# Altium PCB kunkun.PcbDoc (part 2 of 8) (continued)
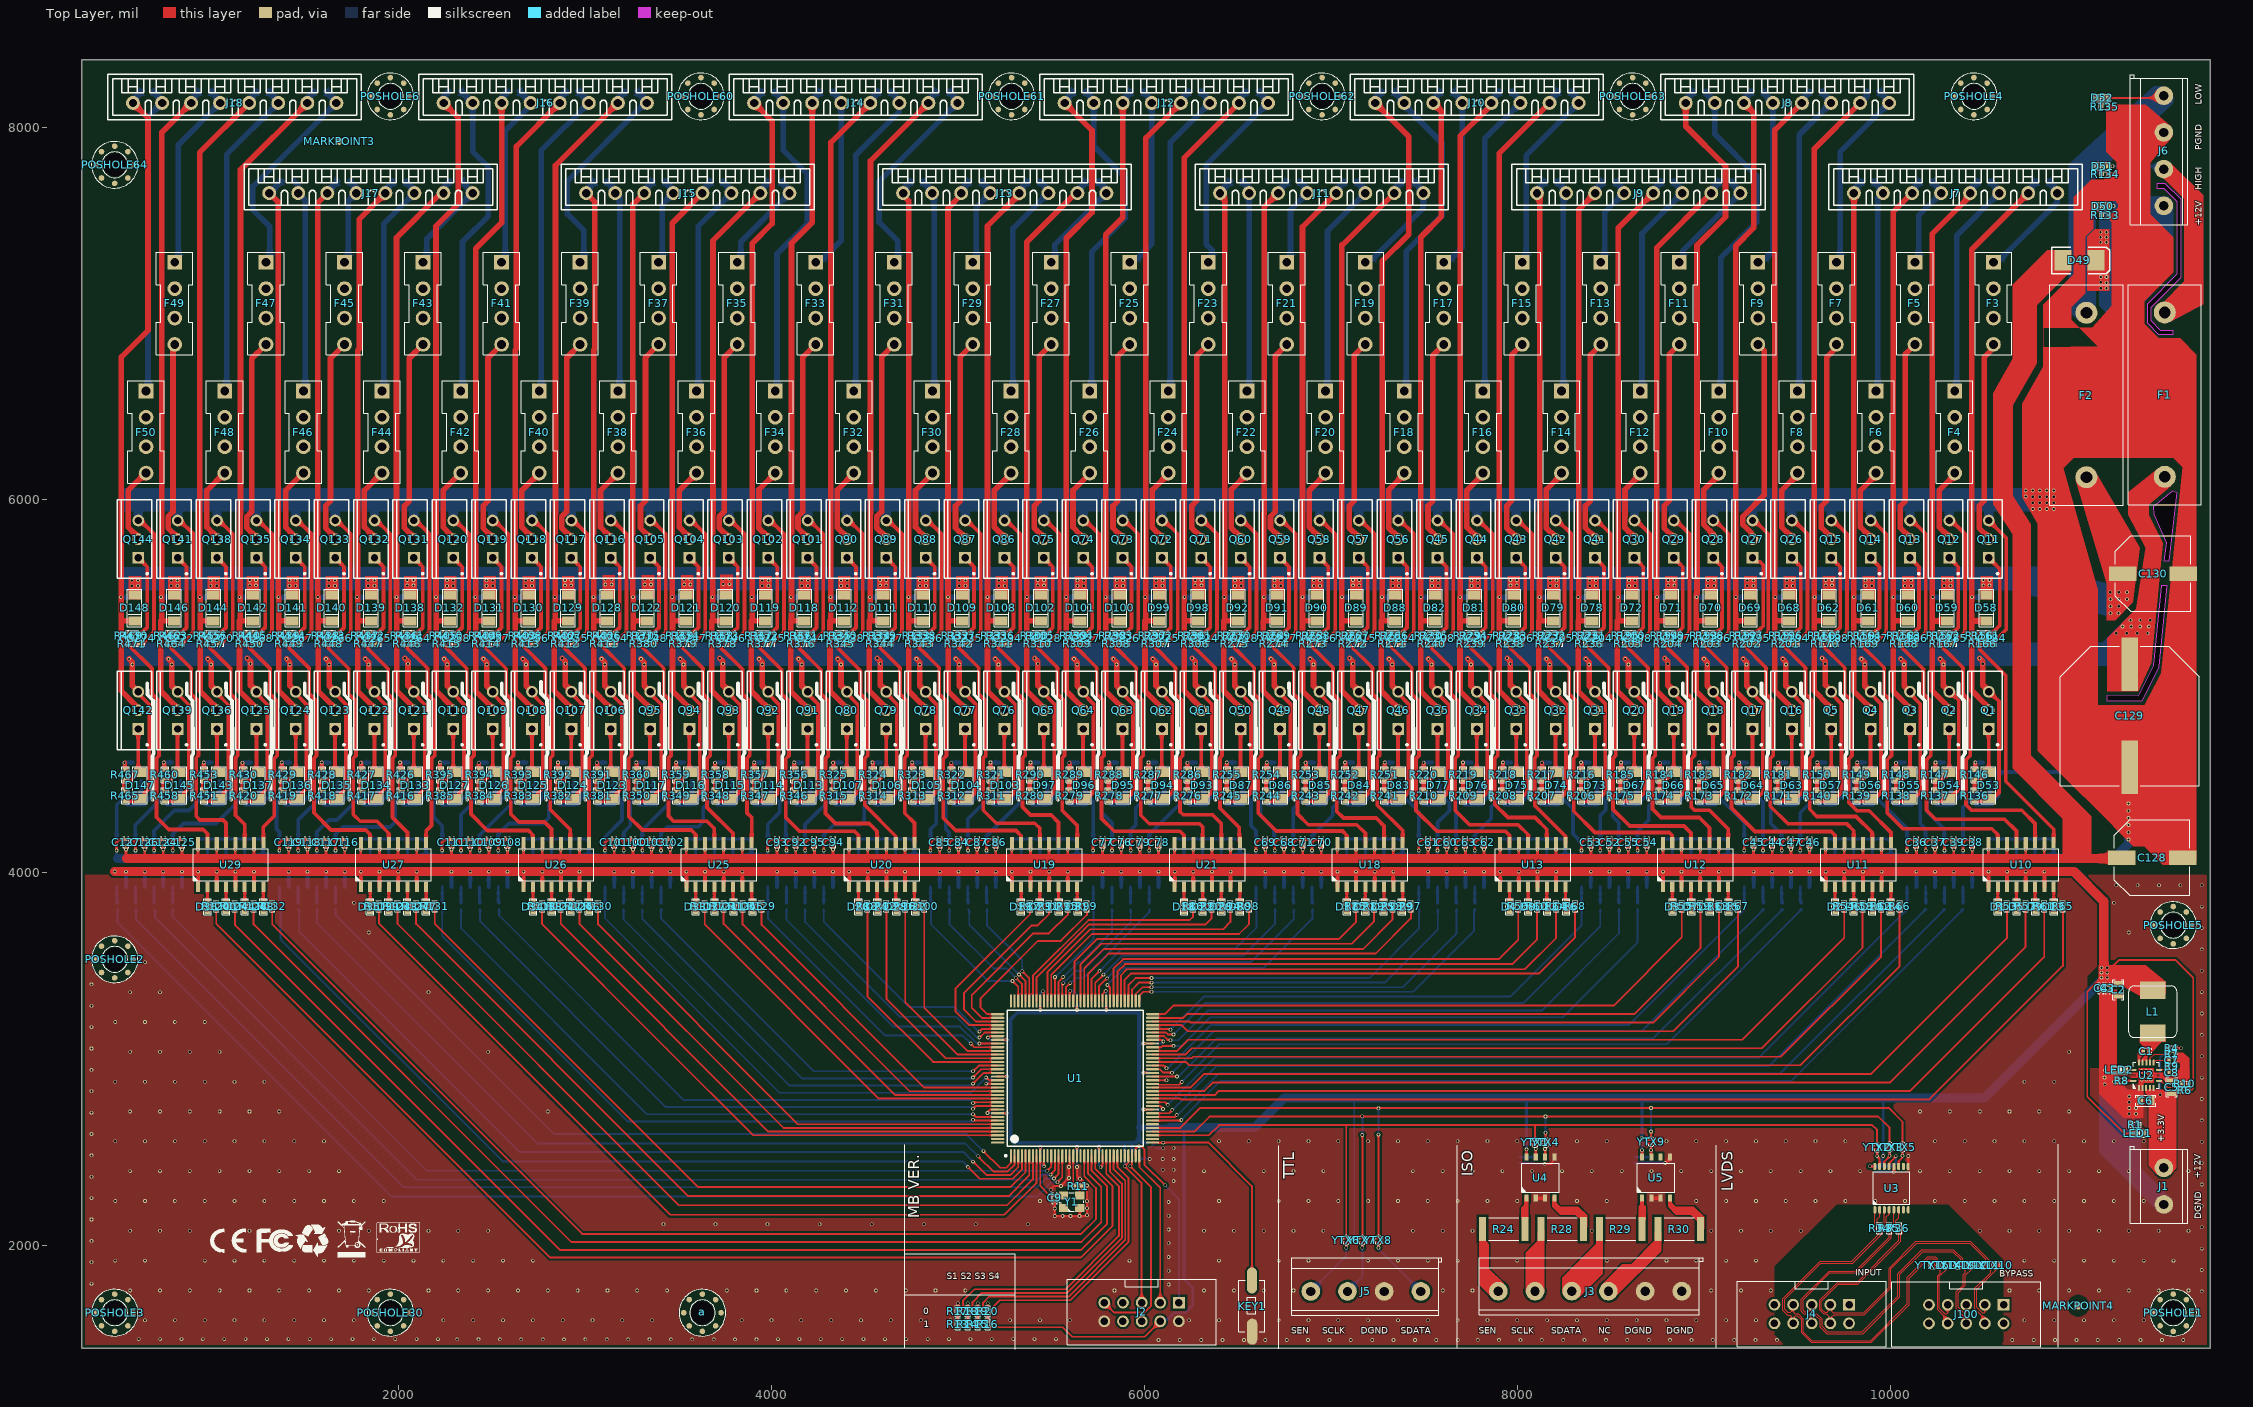
[diagram p0: Top Layer view]
## Footprints (in the part's own frame and the unit in brackets; to place one, negate y for a bottom-side part, rotate by r counter-clockwise, add the part's x,y. Pads: shape width x height; smd on the part's side, far side on the other; paste and mask are expansions set on the pad) (continued)
  oval 0.3x1.8 smd: 37(-8.75,-10.55) 38(-8.25,-10.55) 39(-7.75,-10.55) 40(-7.25,-10.55) 41(-6.75,-10.55) 42(-6.25,-10.55) 43(-5.75,-10.55) 44(-5.25,-10.55) 45(-4.75,-10.55) 46(-4.25,-10.55) 47(-3.75,-10.55) 48(-3.25,-10.55) 49(-2.75,-10.55) 50(-2.25,-10.55) 51(-1.75,-10.55) 52(-1.25,-10.55) 53(-0.75,-10.55) 54(-0.25,-10.55) 55(0.25,-10.55) 56(0.75,-10.55) 57(1.25,-10.55) 58(1.75,-10.55) 59(2.25,-10.55) 60(2.75,-10.55) 61(3.25,-10.55) 62(3.75,-10.55) 63(4.25,-10.55) 64(4.75,-10.55) 65(5.25,-10.55) 66(5.75,-10.55) 67(6.25,-10.55) 68(6.75,-10.55) 69(7.25,-10.55) 70(7.75,-10.55) 71(8.25,-10.55) 72(8.75,-10.55) 109(8.75,10.55) 110(8.25,10.55) 111(7.75,10.55) 112(7.25,10.55) 113(6.75,10.55) 114(6.25,10.55) 115(5.75,10.55) 116(5.25,10.55) 117(4.75,10.55) 118(4.25,10.55) 119(3.75,10.55) 120(3.25,10.55) 121(2.75,10.55) 122(2.25,10.55) 123(1.75,10.55) 124(1.25,10.55) 125(0.75,10.55) 126(0.25,10.55) 127(-0.25,10.55) 128(-0.75,10.55) 129(-1.25,10.55) 130(-1.75,10.55) 131(-2.25,10.55) 132(-2.75,10.55) 133(-3.25,10.55) 134(-3.75,10.55) 135(-4.25,10.55) 136(-4.75,10.55) 137(-5.25,10.55) 138(-5.75,10.55) 139(-6.25,10.55) 140(-6.75,10.55) 141(-7.25,10.55) 142(-7.75,10.55) 143(-8.25,10.55) 144(-8.75,10.55)
  silkscreen extent -10.67,-9.25 9.25,9.57, body extent -10,-10 10,10, height 1.6
YTX [mil]
  round 2 smd: 1(-15,0) 2(15,0)
  Top Layer region: 5,-15 11.51,-13.51 16.73,-9.35 19.62,-3.34 19.62,3.34 16.73,9.35 11.51,13.51 5,15 5,15
  Top Layer region: -5,-15 -11.51,-13.51 -16.73,-9.35 -19.62,-3.34 -19.62,3.34 -16.73,9.35 -11.51,13.51 -5,15 -5,15
  silkscreen extent -25,-20 25,20
ZVN3320F [mil] "MOSFET-N"
  rect 35x37 smd: 1(37,98) 2(0,0) 3(75,0)
  silkscreen extent -38,-4 89,98

## Part data
C1 C2 C3 C4 C5 C6 C7 C8 C9 C10 C11 C12 C13 C14 C15 C16 C17 C18 C19 C20 C21 C22 C23 C24 C25 C26 C27 C28 C29 C30 C31 C32 C33 C34 C35 C36 C37 C38 C39 C40 C41 C42 C43 C44 C45 C46 C47 C48 C49 C50 C51 C52 C53 C54 C55 C56 C57 C58 C59 C60 C61 C62 C63 C64 C65 C66 C67 C68 C69 C70 C71 C72 C73 C74 C75 C76 C77 C78 C79 C80 C81 C82 C83 C84 C85 C86 C87 C88 C89 C90 C91 C92 C93 C94 C95 C96 C97 C98 C99 C100 C101 C102 C103 C104 C105 C106 C107 C108 C109 C110 C111 C112 C113 C114 C115 C116 C117 C118 C119 C120 C121 C122 C123 C124 C125 C126 C127 C131 C132 C133 C134 C135 C136 C137 C138 C139 C140 C141 C142 C143 C144 C145 C146 C147 C148 C149 C150 C151 C152 C153 C154 C155 C156 C157 C158 C159 C160 C161 C162 C163 C164 C165 C166 C167 C168 C169 C170 C171 C172 C173 C174 C175 C176 C177 C178 C179 C180 C181 C182 C183 C184 C185 C186 C187 C188 C189 C190 C191 C192 C193 C194 C195 C196 C197 C198 C199 C200 C201 C202 C203 C204 C205 C206 C207 C208 C209 C210 C211 C212 C213 C214 C215 C216 C217 C218 C219 C220 C221 C222 C223 C224 C225 C226 C227 C228 C229 C230 C231 C232 C233 C234 C235 C236 C237 C238 C239 C240 C241 C242 C243 C244 C245 C246 C247 C248 C249 C250 C251 C252 C253 C254 C255 C256 C257 C258 C259 C260 C261 C262 C263 C264 C265 C266 C267 C268 C269 C270 C271 C272 C273 C274: voltage=25V, precision=5%
C128 C130: voltage=35V
C129: voltage=100V
D53 D54 D55 D56 D57 D58 D59 D60 D61 D62 D63 D64 D65 D66 D67 D68 D69 D70 D71 D72 D73 D74 D75 D76 D77 D78 D79 D80 D81 D82 D83 D84 D85 D86 D87 D88 D89 D90 D91 D92 D93 D94 D95 D96 D97 D98 D99 D100 D101 D102 D103 D104 D105 D106 D107 D108 D109 D110 D111 D112 D113 D114 D115 D116 D117 D118 D119 D120 D121 D122 D123 D124 D125 D126 D127 D128 D129 D130 D131 D132 D133 D134 D135 D136 D137 D138 D139 D140 D141 D142 D143 D144 D145 D146 D147 D148: library part DIOD1
J4 J100: library part HDR2X5
J5: library part HDR1X4
Q1 Q2 Q3 Q4 Q5 Q16 Q17 Q18 Q19 Q20 Q31 Q32 Q33 Q34 Q35 Q46 Q47 Q48 Q49 Q50 Q61 Q62 Q63 Q64 Q65 Q76 Q77 Q78 Q79 Q80 Q91 Q92 Q93 Q94 Q95 Q106 Q107 Q108 Q109 Q110 Q121 Q122 Q123 Q124 Q125 Q136 Q139 Q142: "P-Channel Power MOSFET", ComponentLink1Description="Manufacturer Link", ComponentLink1URL=http://www.irf.com/, DatasheetVersion=PD-9.390D, LatestRevisionDate=17-Jul-2002, LatestRevisionNote="Re-released for DXP Platform.", Note="Pin 4 not drawn and electrically connected to Pin 2.", PackageDescription="TO, Thru-Hole, Vertical, Heatsink Mounted; 3 In-Line Leads; Pitch 2.54 mm", PackageReference=TO-220AB, PackageVersion=Feb-1997, Published=8-Jun-2000, Publisher="Altium Limited"
Q6 Q7 Q8 Q9 Q10 Q21 Q22 Q23 Q24 Q25 Q36 Q37 Q38 Q39 Q40 Q51 Q52 Q53 Q54 Q55 Q66 Q67 Q68 Q69 Q70 Q81 Q82 Q83 Q84 Q85 Q96 Q97 Q98 Q99 Q100 Q111 Q112 Q113 Q114 Q115 Q126 Q127 Q128 Q129 Q130 Q137 Q140 Q143: "N-Channel MOSFET", LatestRevisionDate=17-Jul-2002, LatestRevisionNote="Re-released for DXP Platform.", PackageDescription="TO, Flat Index; 3 In-Line, Axial Leads; Body Dia. 4.6mm; Lead Dia. 0.5 mm (max)", PackageReference=E3, PackageVersion=1995/1996, Published=8-Jun-2000, Publisher="Altium Limited"
Q11 Q12 Q13 Q14 Q15 Q26 Q27 Q28 Q29 Q30 Q41 Q42 Q43 Q44 Q45 Q56 Q57 Q58 Q59 Q60 Q71 Q72 Q73 Q74 Q75 Q86 Q87 Q88 Q89 Q90 Q101 Q102 Q103 Q104 Q105 Q116 Q117 Q118 Q119 Q120 Q131 Q132 Q133 Q134 Q135 Q138 Q141 Q144: "N-Channel Power MOSFET", ComponentLink1Description="Manufacturer Link", ComponentLink1URL=http://www.irf.com/, DatasheetVersion=PD-9.814, LatestRevisionDate=17-Jul-2002, LatestRevisionNote="Re-released for DXP Platform.", Note="Pin 2 is electrically connected to pin 4.", PackageDescription="TO, Thru-Hole, Vertical, Heatsink Mounted; 3 In-Line Leads; Pitch 2.54 mm", PackageReference=TO-220AB, PackageVersion=Feb-1997, Published=8-Jun-2000, Publisher="Altium Limited"
U1: "MAX II 3.3/2.5V CPLD, 116 IOs, 1,270 Logic Elements, 144-Pin Plastic TQFP, Commercial Temperature, Speed Grade 5, Pb-Free", Code_JEDEC=MS-026-BFB, ComponentLink1Description="Manufacturer URL", ComponentLink1URL=http://www.altera.com/, ComponentLink2Description=Handbook, ComponentLink2URL=http://www.altera.com/literature/hb/max2/max2_mii5v1.pdf, ComponentLink3Description="Package Specification", ComponentLink3URL=http://www.altera.com/literature/ds/dspkg.pdf, DatasheetVersion="ver1.8, Jul-2006", Note="All VCCINT pins must be connected to either 3.3V or 2.5V (but not a combination of both).", PackageDescription="144-Pin Plastic Thin Quad Flat Pack (TQFP144) - Wire Bond", PackageReference=TQFP144, PackageVersion="ver16.3, Dec-2010"
Y1: frequency=20MHZ
L1: Code_IEC=1005, Code_JEITA=0402, LatestRevisionDate=29-May-2009, LatestRevisionNote="IPC-7351 Footprint Added.", PackageDescription="Chip Inductor", PackageReference=0402-A, Published=8-Jun-2000, Publisher="Altium Limited"
R1 R2 R3 R4 R5 R6 R7 R8 R9 R10 R11 R12 R13 R14 R15 R16 R17 R18 R19 R20 R21 R22 R23 R24 R25 R26 R27 R28 R29 R30 R31 R32 R33 R34 R35 R36 R37 R38 R39 R40 R41 R42 R43 R44 R45 R46 R47 R48 R49 R50 R51 R52 R53 R54 R55 R56 R57 R58 R59 R60 R61 R62 R63 R64 R65 R66 R67 R68 R69 R70 R71 R72 R73 R74 R75 R76 R77 R78 R79 R80 R81 R82 R83 R84 R85 R86 R87 R88 R89 R90 R91 R92 R93 R94 R95 R96 R97 R98 R99 R100 R101 R102 R103 R104 R105 R106 R107 R108 R109 R110 R111 R112 R113 R114 R115 R116 R117 R118 R119 R120 R121 R122 R123 R124 R125 R126 R127 R128 R129 R130 R131 R132 R133 R134 R135 R136 R137 R138 R139 R140 R141 R142 R143 R144 R145 R146 R147 R148 R149 R150 R151 R152 R153 R154 R155 R156 R157 R158 R159 R160 R161 R162 R163 R164 R165 R166 R167 R168 R169 R170 R171 R172 R173 R174 R175 R176 R177 R178 R179 R180 R181 R182 R183 R184 R185 R186 R187 R188 R189 R190 R191 R192 R193 R194 R195 R196 R197 R198 R199 R200 R201 R202 R203 R204 R205 R206 R207 R208 R209 R210 R211 R212 R213 R214 R215 R216 R217 R218 R219 R220 R221 R222 R223 R224 R225 R226 R227 R228 R229 R230 R231 R232 R233 R234 R235 R236 R237 R238 R239 R240 R241 R242 R243 R244 R245 R246 R247 R248 R249 R250 R251 R252 R253 R254 R255 R256 R257 R258 R259 R260 R261 R262 R263 R264 R265 R266 R267 R268 R269 R270 R271 R272 R273 R274 R275 R276 R277 R278 R279 R280 R281 R282 R283 R284 R285 R286 R287 R288 R289 R290 R291 R292 R293 R294 R295 R296 R297 R298 R299 R300 R301 R302 R303 R304 R305 R306 R307 R308 R309 R310 R311 R312 R313 R314 R315 R316 R317 R318 R319 R320 R321 R322 R323 R324 R325 R326 R327 R328 R329 R330 R331 R332 R333 R334 R335 R336 R337 R338 R339 R340 R341 R342 R343 R344 R345 R346 R347 R348 R349 R350 R351 R352 R353 R354 R355 R356 R357 R358 R359 R360 R361 R362 R363 R364 R365 R366 R367 R368 R369 R370 R371 R372 R373 R374 R375 R376 R377 R378 R379 R380 R381 R382 R383 R384 R385 R386 R387 R388 R389 R390 R391 R392 R393 R394 R395 R396 R397 R398 R399 R400 R401 R402 R403 R404 R405 R406 R407 R408 R409 R410 R411 R412 R413 R414 R415 R416 R417 R418 R419 R420 R421 R422 R423 R424 R425 R426 R427 R428 R429 R430 R431 R432 R433 R434 R435 R436 R437 R438 R439 R440 R441 R442 R443 R444 R445 R446 R447 R448 R449 R450 R451 R452 R453 R454 R455 R456 R457 R458 R459 R460 R461 R462 R463 R464 R465 R466 R467 R468 R469 R470 R471: precision=1%

## Via types
v1: diameter 19.68, hole 11.81, Top Layer to Bottom Layer, tented both sides, 1297 vias

## Nets (pads, with @x,y where several pads share a name; then routed paths per layer and width w, separated by ;. In a path a pad name is that pad's centre, name@x,y a point inside that pad or via, vN(x,y) a via of type N, cw(c..) or ccw(c..) an arc to the next point about the centre after c; other vN are vias at no path point)
CH1+: C131.1 D58.1 J7.2 Q1.2 R141.1 | length 3182.3
  Top Layer w30: D58.1@10516.73,5351.07 10443.52,5351.07 10437.84,5356.75 ; Q1.2@10528.84,4871.57 10528.84,4880.5 10528.84,4886.49 10512.35,4902.99 10437.84,4977.49 10437.84,5356.75 ; J7.2@10740.66,7645.75 10437.84,7342.92 10437.84,5480.2 v1(10439.26,5478.78) 10437.84,5477.35 10437.84,5356.75
  Bottom Layer w30: v1(10439.26,5478.78) 10439.47,5478.99 R141.1@10518.56,5478.99 ; J7.2@10740.66,7645.75 10740.66,7664.43 C131.1@10786.28,7710.04
CH1-: C131.2 F3.1 J7.1 | length 588.8
  Bottom Layer w30: F3.1@10573.97,7274.4 10896.5,7596.92 J7.1@10896.5,7645.75 10896.5,7662.82 C131.2@10849.27,7710.04
CH2+: C136.1 D59.1 J7.4 Q2.2 R142.1 | length 3130.4
  Top Layer w30: 10232.34,5351.07 D59.1@10305.4,5351.07 ; Q2.2@10317.67,4871.57 10317.67,4880.5 10301.18,4896.99 10301.18,4901.19 10226.67,4975.7 10226.67,5351.07 10226.67,5478.99 10226.67,7428.63 10429,7630.96 J7.4@10429,7645.75
  Bottom Layer w30: v1(10228.44,5478.99) R142.1@10307.3,5478.99 ; J7.4@10429,7645.75 10429,7665.24 C136.1@10473.8,7710.04
CH2-: C136.2 F4.1 J7.3 | length 1240.6
  Bottom Layer w30: F4.1@10356.1,6584.11 10356.1,7417.02 J7.3@10584.83,7645.75 10584.83,7662.01 C136.2@10536.79,7710.04
CH3+: C141.1 D60.1 J7.6 Q3.2 R143.1 | length 3092.3
  Top Layer w30: 10015.5,5351.07 10015.5,4975.7 10090.01,4901.19 10090.01,4896.99 10106.5,4880.5 Q3.2@10106.5,4871.57 ; v1@10015.5,5478.99 10015.5,7543.92 J7.6@10117.33,7645.75 ; v1(10017.19,5478.99) 10017.19,5351.07 10035.8,5351.07 D60.1@10094.07,5351.07
  Bottom Layer w30: v1(10017.19,5478.99) R143.1@10096.04,5478.99 ; J7.6@10117.33,7645.75 10117.33,7666.06 C141.1@10161.31,7710.04
CH3-: C141.2 F5.1 J7.5 | length 505.7
  Bottom Layer w30: F5.1@10152.83,7274.4 10152.83,7525.41 J7.5@10273.16,7645.75 10273.16,7661.19 C141.2@10224.31,7710.04
CH4+: C146.1 D61.1 J7.8 Q4.2 R144.1 | length 3045.6
  Top Layer w30: 9804.33,5351.07 9804.33,4975.7 9878.84,4901.19 9878.84,4896.99 9895.33,4880.5 Q4.2@9895.33,4871.57 ; 9804.88,5351.07 9804.88,5478.78 9804.88,7475.3 9805.66,7476.08 J7.8@9805.66,7645.75 ; 9810.56,5351.07 D61.1@9882.74,5351.07
  Bottom Layer w30: J7.8@9805.66,7645.75 9805.66,7666.88 C146.1@9848.83,7710.04 ; v1@9805.68,5478.99 R144.1@9884.77,5478.99
  other v1: 9805.48,5478.78
CH4-: C146.2 F6.1 J7.7 | length 1157.8
  Bottom Layer w30: C146.2@9911.82,7710.04 9961.5,7660.37 J7.7@9961.5,7645.75 9934.34,7618.59 F6.1@9934.34,6584.11
CH5+: C132.1 D62.1 J8.2 Q5.2 R145.1 | length 3627.5
  Top Layer w30: 9598.83,5351.07 D62.1@9671.41,5351.07 ; Q5.2@9684.16,4871.57 9684.16,4880.5 9667.66,4896.99 9667.66,4901.19 9593.16,4975.7 9593.16,5351.07 9593.16,5478.99 9593.16,7883.71 J8.2@9838.65,8129.21
  Bottom Layer w30: v1(9594.65,5478.99) R145.1@9673.51,5478.99 ; J8.2@9838.65,8129.21 9877.29,8167.85 C132.1@9877.29,8192.3
CH5-: C132.2 F7.1 J8.1 | length 1049.2
  Bottom Layer w30: F7.1@9731.69,7274.4 9731.69,7866.41 J8.1@9994.49,8129.21 9994.49,8138.1 C132.2@9940.28,8192.3
CH6+: C137.1 D68.1 J8.4 Q16.2 R176.1 | length 3586.5
  Top Layer w30: 9387.66,5351.07 D68.1@9460.08,5351.07 ; Q16.2@9472.99,4871.57 9472.99,4880.5 9456.49,4896.99 9456.49,4901.19 9381.99,4975.7 9381.99,5351.07 9381.99,5478.99 9381.99,7984.21 J8.4@9526.99,8129.21
  Bottom Layer w30: v1(9383.4,5478.99) R176.1@9462.25,5478.99 ; J8.4@9526.99,8129.21 9526.99,8151.92 C137.1@9567.37,8192.3
CH6-: C137.2 F8.1 J8.3 | length 1700.4
  Bottom Layer w30: F8.1@9512.58,6584.11 9512.58,7958.97 J8.3@9682.82,8129.21 9682.82,8139.84 C137.2@9630.36,8192.3
CH7+: C142.1 D69.1 J8.6 Q17.2 R177.1 | length 3588.9
  Top Layer w30: v1@9170.82,5478.78 9170.82,5351.07 9170.82,4975.7 9245.32,4901.19 9245.32,4896.99 9261.82,4880.5 Q17.2@9261.82,4871.57 ; v1(9171.69,5478.78) 9171.69,7363.02 9267.92,7459.25 9267.92,8076.61 J8.6@9215.32,8129.21 ; 9176.49,5351.07 D69.1@9248.75,5351.07
  Bottom Layer w30: v1@9171.9,5478.99 R177.1@9250.99,5478.99 ; J8.6@9215.32,8129.21 9215.32,8150.18 C142.1@9257.44,8192.3
CH7-: C142.2 F9.1 J8.5 | length 964
  Bottom Layer w30: F9.1@9310.54,7274.4 9371.15,7335.01 9371.15,8132.72 9320.43,8183.44 C142.2@9320.43,8192.3
CH8+: C147.1 D70.1 J8.8 Q18.2 R178.1 | length 3679.7
  Top Layer w30: J8.8@8903.65,8129.21 8903.65,8004.58 9116.66,7791.58 9116.66,7518.68 8964.15,7366.18 8964.15,5499.24 8960.87,5495.96 v1(8960.87,5478.99) ; 8959.65,5351.07 8959.65,4975.7 9034.15,4901.19 9034.15,4896.99 9050.65,4880.5 Q18.2@9050.65,4871.57 ; 8960.2,5351.07 v1@8960.2,5478.99 ; 8965.88,5351.07 D70.1@9037.42,5351.07
  Bottom Layer w30: J8.8@8903.65,8129.21 8903.65,8148.44 C147.1@8947.51,8192.3 ; v1(8960.87,5478.99) R178.1@9039.73,5478.99
CH8-: C147.2 F10.1 J8.7 | length 1806.6
  Bottom Layer w30: C147.2@9010.51,8192.3 9010.51,8183.44 J8.7@9059.49,8134.46 ; J8.7@9059.49,8129.21 J8.7@9059.49,8134.46 ; F10.1@9090.83,6584.11 9090.83,7297.68 9283.8,7490.65 9283.8,7737.38 9059.49,7961.69 J8.7@9059.49,8134.46
CH9+: C133.1 D71.1 J9.2 Q19.2 R179.1 | length 3167.3
  Top Layer w30: 8754.15,5351.07 D71.1@8826.08,5351.07 ; Q19.2@8839.48,4871.57 8839.48,4880.5 8822.98,4896.99 8822.98,4901.19 8748.48,4975.7 8748.48,5351.07 8748.48,5478.99 8748.48,7353.54 J9.2@9040.68,7645.75
  Bottom Layer w30: v1(8749.62,5478.99) R179.1@8828.46,5478.99 ; J9.2@9040.68,7645.75 9040.68,7663.48 C133.1@9087.25,7710.04
CH9-: C133.2 F11.1 J9.1 | length 582
  Bottom Layer w30: F11.1@8889.4,7274.4 8889.4,7338.63 J9.1@9196.52,7645.75 9196.52,7654.91 9150.24,7701.19 C133.2@9150.24,7710.04
CH10+: C138.1 D72.1 J9.4 Q20.2 R180.1 | length 3123.2
  Top Layer w30: 8537.31,5351.07 8537.31,4975.7 8611.81,4901.19 8611.81,4896.99 8628.31,4880.5 Q20.2@8628.31,4871.57 ; v1(8540.81,5478.99) 8540.81,7457.54 J9.4@8729.02,7645.75 ; v1@8541.81,5478.99 8541.81,5352.24 8542.98,5351.07 D72.1@8614.75,5351.07 D72.1@8616.2,5351.07
  Bottom Layer w30: v1(8540.81,5478.99) R180.1@8617.2,5478.99 ; J9.4@8729.02,7645.75 8729.02,7664.23 C138.1@8774.83,7710.04
CH10-: C138.2 F12.1 J9.3 | length 1234.8
  Bottom Layer w30: F12.1@8669.07,6584.11 8669.07,7429.96 J9.3@8884.85,7645.75 8884.85,7663.02 C138.2@8837.83,7710.04
CH11+: C143.1 D78.1 J9.6 Q31.2 R211.1 | length 3083.7
  Top Layer w30: 8326.14,5351.07 8326.14,4975.7 8400.64,4901.19 8400.64,4896.99 8417.14,4880.5 Q31.2@8417.14,4871.57 ; D78.1@8405.03,5351.07 D78.1@8403.42,5351.07 8331.81,5351.07 8330.2,5352.68 8330.2,7558.6 J9.6@8417.35,7645.75
  Bottom Layer w30: v1(8327.08,5478.99) R211.1@8405.94,5478.99 ; J9.6@8417.35,7645.75 8417.35,7664.97 C143.1@8462.42,7710.04
CH11-: C143.2 F13.1 J9.5 | length 498.9
  Bottom Layer w30: F13.1@8468.26,7274.4 8468.26,7540.82 J9.5@8573.18,7645.75 8573.18,7662.27 C143.2@8525.41,7710.04
CH12+: C148.1 D79.1 J9.8 Q32.2 R212.1 | length 3051
  Top Layer w30: J9.8@8105.68,7645.75 8121.2,7630.23 8121.2,5927.19 8119.47,5925.46 8119.47,5352.79 8121.2,5351.07 D79.1@8192.09,5351.07 D79.1@8194.42,5351.07 ; 8114.97,5351.07 8114.97,4975.7 8189.47,4901.19 8189.47,4896.99 8205.97,4880.5 Q32.2@8205.97,4871.57
  Bottom Layer w30: J9.8@8105.68,7645.75 8105.68,7665.72 C148.1@8150.01,7710.04 ; v1(8119.29,5478.99) R212.1@8194.68,5478.99
CH12-: C148.2 F14.1 J9.7 | length 1151.9
  Bottom Layer w30: C148.2@8213,7710.04 8261.52,7661.53 J9.7@8261.52,7645.75 8247.31,7631.54 F14.1@8247.31,6584.11
CH13+: C134.1 D80.1 J10.2 Q33.2 R213.1 | length 3640.7
  Top Layer w30: 7909.47,5351.07 D80.1@7980.76,5351.07 ; Q33.2@7994.8,4871.57 7994.8,4880.5 7978.3,4896.99 7978.3,4901.19 7903.8,4975.7 7903.8,5351.07 7903.8,5478.78 7903.8,7860.02 J10.2@8172.99,8129.21
  Bottom Layer w30: v1@7904.32,5478.99 R213.1@7983.41,5478.99 ; J10.2@8172.99,8129.21 8172.99,8142.96 C134.1@8222.33,8192.3
  other v1: 7904.12,5478.78
CH13-: C134.2 F15.1 J10.1 | length 1052.6
  Bottom Layer w30: F15.1@8047.11,7274.4 8047.11,7847.5 J10.1@8328.82,8129.21 8328.82,8148.8 C134.2@8285.32,8192.3
CH14+: C139.1 D81.1 J10.4 Q34.2 R214.1 | length 3596.7
  Top Layer w30: v1@7692.63,5478.99 7692.63,5351.07 7692.63,4975.7 7767.13,4901.19 7767.13,4896.99 7783.63,4880.5 Q34.2@7783.63,4871.57 ; v1(7693.29,5478.99) 7693.29,7951.85 7861.32,8119.88 J10.4@7861.32,8129.21 ; 7698.3,5351.07 D81.1@7769.43,5351.07
  Bottom Layer w30: v1(7693.29,5478.99) R214.1@7772.15,5478.99 ; J10.4@7861.32,8129.21 7861.32,8147.2 C139.1@7906.42,8192.3
CH14-: C139.2 F16.1 J10.3 | length 1707.3
  Bottom Layer w30: F16.1@7825.55,6584.11 7825.55,7937.61 J10.3@8017.15,8129.21 8017.15,8144.56 C139.2@7969.42,8192.3
CH15+: C144.1 D82.1 J10.6 Q35.2 R215.1 | length 3589.2
  Top Layer w30: v1@7481.46,5478.99 7481.46,5351.07 7481.46,4975.7 7555.96,4901.19 7555.96,4896.99 7572.46,4880.5 Q35.2@7572.46,4871.57 ; v1(7482.04,5478.99) 7482.04,7409.16 7593.13,7520.24 7593.13,8085.74 J10.6@7549.65,8129.21 ; 7487.13,5351.07 D82.1@7558.1,5351.07
  Bottom Layer w30: v1(7482.04,5478.99) R215.1@7560.89,5478.99 ; J10.6@7549.65,8129.21 7549.65,8151.43 C144.1@7590.52,8192.3
CH15-: C144.2 F17.1 J10.5 | length 972.4
  Bottom Layer w30: F17.1@7625.97,7274.4 7650.47,7298.9 7705.49,7353.91 J10.5@7705.49,8129.21 7705.49,8140.33 C144.2@7653.52,8192.3
CH16+: C149.1 D88.1 J10.8 Q46.2 R246.1 | length 3656.6
  Top Layer w30: J10.8@7237.99,8129.21 7417.82,7949.38 7417.82,7424.77 7274.79,7281.74 7274.79,5352.79 7276.52,5351.07 D88.1@7346.77,5351.07 D88.1@7349.73,5351.07 ; 7270.29,5351.07 7270.29,4975.7 7344.79,4901.19 7344.79,4896.99 7361.29,4880.5 Q46.2@7361.29,4871.57
  Bottom Layer w30: J10.8@7237.99,8129.21 7237.99,8155.67 C149.1@7274.62,8192.3 ; v1(7274.34,5478.99) R246.1@7349.63,5478.99
CH16-: C149.2 F18.1 J10.7 | length 1796.2
  Bottom Layer w30: C149.2@7337.61,8192.3 7393.82,8136.1 J10.7@7393.82,8129.21 7393.82,8117.09 7597.61,7913.3 7597.61,7526.81 7403.79,7332.99 F18.1@7403.79,6584.11
CH17+: C135.1 D89.1 J11.2 Q47.2 R247.1 | length 3161.4
  Top Layer w30: 7064.79,5351.07 D89.1@7135.44,5351.07 ; Q47.2@7150.12,4871.57 7150.12,4880.5 7133.62,4896.99 7133.62,4901.19 7059.12,4975.7 7059.12,5351.07 7059.12,5478.99 7059.12,7368.32 7063.27,7368.32 J11.2@7340.71,7645.75
  Bottom Layer w30: v1(7059.51,5478.99) R247.1@7138.37,5478.99 ; J11.2@7340.71,7645.75 7340.71,7669.78 C135.1@7380.97,7710.04
CH17-: C135.2 F19.1 J11.1 | length 578.3
  Bottom Layer w30: F19.1@7204.83,7274.4 7496.54,7566.11 J11.1@7496.54,7645.75 7496.54,7657.47 C135.2@7443.96,7710.04
CH18+: C140.1 D90.1 J11.4 Q48.2 R248.1 | length 3119.4
  Top Layer w30: v1@6847.95,5478.99 6847.95,5351.07 6847.95,4975.7 6922.45,4901.19 6922.45,4896.99 6938.95,4880.5 Q48.2@6938.95,4871.57 ; v1(6848.26,5478.99) 6848.26,7464.97 J11.4@7029.04,7645.75 ; 6853.62,5351.07 D90.1@6924.1,5351.07
  Bottom Layer w30: v1(6848.26,5478.99) R248.1@6927.1,5478.99 ; J11.4@7029.04,7645.75 7029.04,7664.26 C140.1@7074.82,7710.04
CH18-: C140.2 F20.1 J11.3 | length 1229.4
  Bottom Layer w30: F20.1@6982.03,6584.11 6982.03,7442.91 J11.3@7184.87,7645.75 7184.87,7662.99 C140.2@7137.81,7710.04
CH19+: C145.1 D91.1 J11.6 Q49.2 R249.1 | length 3077.7
  Top Layer w30: 6636.78,5351.07 6636.78,4975.7 6711.28,4901.19 6711.28,4896.99 6727.78,4880.5 Q49.2@6727.78,4871.57 ; D91.1@6715.67,5351.07 D91.1@6712.77,5351.07 6642.45,5351.07 6641.28,5352.24 6641.28,5925.46 6642.45,5926.63 6642.45,7570.83 J11.6@6717.37,7645.75
  Bottom Layer w30: v1(6640.8,5478.99) R249.1@6715.84,5478.99 ; J11.6@6717.37,7645.75 6717.37,7658.74 C145.1@6768.67,7710.04
CH19-: C145.2 F21.1 J11.5 | length 489.9
  Bottom Layer w30: F21.1@6783.68,7274.4 6783.68,7556.23 J11.5@6873.21,7645.75 6873.21,7668.51 C145.2@6831.67,7710.04
CH20+: C150.1 D92.1 J11.8 Q50.2 R250.1 | length 3061
  Top Layer w30: J11.8@6405.71,7645.75 6431.84,7619.62 6431.84,5927.19 6430.11,5925.46 6430.11,5352.79 6431.84,5351.07 D92.1@6501.44,5351.07 D92.1@6505.05,5351.07 ; 6425.61,5351.07 6425.61,4975.7 6500.11,4901.19 6500.11,4896.99 6516.61,4880.5 Q50.2@6516.61,4871.57
  Bottom Layer w30: J11.8@6405.71,7645.75 6405.71,7653.22 C150.1@6462.53,7710.04 ; v1(6428.77,5478.99) R250.1@6504.58,5478.99
CH20-: C150.2 F22.1 J11.7 | length 1141.4
  Bottom Layer w30: C150.2@6525.52,7710.04 6561.54,7674.03 J11.7@6561.54,7645.75 6561.54,6585.37 F22.1@6560.28,6584.11
CH21+: C151.1 D98.1 J12.2 Q61.2 R281.1 | length 3645
  Top Layer w30: 6220.11,5351.07 D98.1@6290.11,5351.07 ; Q61.2@6305.44,4871.57 6305.44,4880.5 6288.94,4896.99 6288.94,4901.19 6214.44,4975.7 6214.44,5351.07 6214.44,5478.99 6214.47,7836.36 J12.2@6507.32,8129.21
  Bottom Layer w30: v1(6214.47,5478.99) R281.1@6293.32,5478.99 ; J12.2@6507.32,8129.21 6507.32,8152.73 C151.1@6546.89,8192.3
CH21-: C151.2 F23.1 J12.1 | length 1090.2
  Bottom Layer w30: F23.1@6362.54,7274.4 6362.54,7340.44 6331.46,7371.53 6331.46,7797.51 J12.1@6663.15,8129.21 6663.15,8139.03 C151.2@6609.89,8192.3
CH22+: C156.1 D99.1 J12.4 Q62.2 R282.1 | length 3604.7
  Top Layer w30: 6003.27,5351.07 6003.27,4975.7 6077.77,4901.19 6077.77,4896.99 6094.27,4880.5 Q62.2@6094.27,4871.57 ; D99.1@6082.16,5351.07 D99.1@6078.78,5351.07 6008.94,5351.07 6007.77,5352.24 6007.77,7941.33 J12.4@6195.65,8129.21
  Bottom Layer w30: v1(6005.11,5478.99) R282.1@6082.06,5478.99 ; J12.4@6195.65,8129.21 6195.65,8149.34 C156.1@6238.61,8192.3
CH22-: C156.2 F24.1 J12.3 | length 1717.1
  Bottom Layer w30: F24.1@6138.52,6584.11 6138.52,7916.24 J12.3@6351.49,8129.21 6351.49,8142.42 C156.2@6301.61,8192.3
CH23+: C161.1 D100.1 J12.6 Q63.2 R283.1 | length 3564.3
  Top Layer w30: v1(5791.94,5478.99) 5791.94,7422.27 5883.99,7514.33 J12.6@5883.99,8129.21 ; v1@5792.09,5478.99 5792.09,5351.07 5792.09,4975.7 5866.6,4901.19 5866.6,4896.99 5883.1,4880.5 Q63.2@5883.1,4871.57 ; 5797.77,5351.07 D100.1@5867.45,5351.07
  Bottom Layer w30: v1(5791.94,5478.99) R283.1@5870.79,5478.99 ; J12.6@5883.99,8129.21 5883.99,8145.96 C161.1@5930.33,8192.3
CH23-: C161.2 F25.1 J12.5 | length 977.9
  Bottom Layer w30: F25.1@5941.4,7274.4 5965.9,7298.9 6039.82,7372.82 J12.5@6039.82,8129.21 6039.82,8145.81 C161.2@5993.33,8192.3
CH24+: C166.1 D101.1 J12.8 Q64.2 R284.1 | length 3645
  Top Layer w30: J12.8@5572.32,8129.21 5719.12,7982.41 5719.12,7541.89 5580.68,7403.46 v1(5580.68,5478.99) ; 5580.92,5351.07 5580.92,4975.7 5655.43,4901.19 5655.43,4896.99 5671.93,4880.5 Q64.2@5671.93,4871.57 ; 5581.48,5351.07 v1@5581.48,5478.99 ; 5587.16,5351.07 D101.1@5656.12,5351.07
  Bottom Layer w30: J12.8@5572.32,8129.21 5572.32,8142.57 C166.1@5622.05,8192.3 ; v1(5580.68,5478.99) R284.1@5659.53,5478.99
CH24-: C166.2 F26.1 J12.7 | length 1770.9
  Bottom Layer w30: C166.2@5685.05,8192.3 5728.15,8149.19 J12.7@5728.15,8129.21 5728.15,7899.51 5897.31,7730.36 5897.31,7511.33 5716.76,7330.78 F26.1@5716.76,6584.11
CH25+: C152.1 D102.1 J13.2 Q65.2 R285.1 | length 3162.8
  Top Layer w30: v1(5368.97,5478.78) 5368.97,7382.98 5631.73,7645.75 J13.2@5640.73,7645.75 ; v1@5369.75,5478.78 5369.75,5351.07 5369.75,4975.7 5444.26,4901.19 5444.26,4896.99 5460.76,4880.5 Q65.2@5460.76,4871.57 ; 5375.43,5351.07 D102.1@5444.79,5351.07
  Bottom Layer w30: v1@5369.18,5478.99 R285.1@5448.27,5478.99 ; J13.2@5640.73,7645.75 5640.73,7660.93 C152.1@5689.84,7710.04
CH25-: C152.2 F27.1 J13.1 | length 568.2
  Bottom Layer w30: F27.1@5520.25,7274.4 5520.25,7369.44 J13.1@5796.56,7645.75 5796.56,7666.32 C152.2@5752.83,7710.04
CH26+: C157.1 D108.1 J13.4 Q76.2 R316.1 | length 3108.5
  Top Layer w30: 5158.58,5351.07 5158.58,4975.7 5233.09,4901.19 5233.09,4896.99 5249.59,4880.5 Q76.2@5249.59,4871.57 ; 5158.61,5356.77 5158.61,5478.99 5158.61,7469.18 5329.06,7639.63 J13.4@5329.06,7645.75 ; 5164.26,5351.07 D108.1@5233.46,5351.07
  Bottom Layer w30: v1(5158.15,5478.99) R316.1@5237.01,5478.99 ; J13.4@5329.06,7645.75 5329.06,7663.2 C157.1@5375.91,7710.04
CH26-: C157.2 F28.1 J13.3 | length 1223.6
  Bottom Layer w30: F28.1@5295,6584.11 5295,7455.86 J13.3@5484.89,7645.75 5484.89,7664.05 C157.2@5438.9,7710.04
CH27+: C162.1 D109.1 J13.6 Q77.2 R317.1 | length 3071.7
  Top Layer w30: v1(4946.9,5478.99) 4946.9,7564.71 5017.39,7635.21 J13.6@5017.39,7645.75 ; v1@4947.41,5478.99 4947.41,5351.07 4947.41,4975.7 5021.92,4901.19 5021.92,4896.99 5038.42,4880.5 Q77.2@5038.42,4871.57 ; 4953.09,5351.07 D109.1@5022.13,5351.07
  Bottom Layer w30: v1(4946.9,5478.99) R317.1@5025.76,5478.99 ; J13.6@5017.39,7645.75 5017.39,7665.46 C162.1@5061.98,7710.04
CH27-: C162.2 F29.1 J13.5 | length 486.3
  Bottom Layer w30: F29.1@5099.11,7274.4 5099.11,7571.63 J13.5@5173.23,7645.75 5173.23,7661.79 C162.2@5124.97,7710.04
CH28+: C167.1 D110.1 J13.8 Q78.2 R318.1 | length 3053.3
  Top Layer w30: J13.8@4705.73,7645.75 4705.73,7633.62 4735.19,7604.16 v1(4735.19,5478.78) ; 4736.24,5351.07 4736.24,4975.7 4810.75,4901.19 4810.75,4896.99 4827.25,4880.5 Q78.2@4827.25,4871.57 ; 4736.8,5351.07 v1@4736.8,5478.78 ; 4742.48,5351.07 D110.1@4810.8,5351.07
  Bottom Layer w30: J13.8@4705.73,7645.75 4705.73,7667.73 C167.1@4748.04,7710.04 ; v1@4735.39,5478.99 R318.1@4814.48,5478.99
CH28-: C167.2 F30.1 J13.7 | length 1151.7
  Bottom Layer w30: C167.2@4811.04,7710.04 4861.56,7659.52 J13.7@4861.56,7645.75 4873.24,7634.06 F30.1@4873.24,6584.11
CH29+: C153.1 D111.1 J14.2 Q79.2 R319.1 | length 3655.8
  Top Layer w30: 4525.07,5351.07 4525.07,4975.7 4599.58,4901.19 4599.58,4896.99 4616.08,4880.5 Q79.2@4616.08,4871.57 ; D111.1@4603.97,5351.07 D111.1@4599.46,5351.07 4530.75,5351.07 4529.58,5352.24 4529.58,5925.46 4530.75,5926.63 4530.75,7818.3 J14.2@4841.66,8129.21
  Bottom Layer w30: v1(4527.69,5478.99) R319.1@4603.22,5478.99 ; J14.2@4841.66,8129.21 4841.66,8146.65 C153.1@4887.3,8192.3
CH29-: C153.2 F31.1 J14.1 | length 1153.9
  Bottom Layer w30: F31.1@4677.97,7274.4 4677.97,7388.35 4576.45,7489.86 4576.45,7708.17 J14.1@4997.49,8129.21 4997.49,8145.11 C153.2@4950.3,8192.3
CH30+: C158.1 D112.1 J14.4 Q80.2 R320.1 | length 3614.2
  Top Layer w30: 4313.9,5351.07 4313.9,4975.7 4388.41,4901.19 4388.41,4896.99 4404.91,4880.5 Q80.2@4404.91,4871.57 ; D112.1@4392.8,5351.07 D112.1@4388.13,5351.07 4319.58,5351.07 4318.41,5352.24 4318.41,7917.63 J14.4@4529.99,8129.21
  Bottom Layer w30: v1(4316.51,5478.99) R320.1@4391.96,5478.99 ; J14.4@4529.99,8129.21 4529.99,8146.45 C158.1@4575.85,8192.3
CH30-: C158.2 F32.1 J14.3 | length 1724.7
  Bottom Layer w30: F32.1@4451.49,6584.11 4451.49,7848.81 4685.82,8083.15 J14.3@4685.82,8129.21 4685.82,8145.32 C158.2@4638.84,8192.3
CH31+: C163.1 D118.1 J14.6 Q91.2 R351.1 | length 3573.8
  Top Layer w30: 4102.73,5351.07 4102.73,4975.7 4177.24,4901.19 4177.24,4896.99 4193.74,4880.5 Q91.2@4193.74,4871.57 ; D118.1@4181.63,5351.07 D118.1@4176.8,5351.07 4108.41,5351.07 4107.24,5352.24 4107.24,7376.93 4218.32,7488.01 J14.6@4218.32,8129.21
  Bottom Layer w30: v1(4104.14,5478.99) R351.1@4180.7,5478.99 ; J14.6@4218.32,8129.21 4218.32,8146.24 C163.1@4264.39,8192.3
CH31-: C163.2 F33.1 J14.5 | length 985.9
  Bottom Layer w30: F33.1@4256.83,7274.4 4374.16,7391.73 J14.5@4374.16,8129.21 4374.16,8145.52 C163.2@4327.38,8192.3
CH32+: C168.1 D119.1 J14.8 Q92.2 R352.1 | length 3611.1
  Top Layer w30: 3891.56,5351.07 3891.56,4975.7 3966.07,4901.19 3966.07,4896.99 3982.57,4880.5 Q92.2@3982.57,4871.57 ; J14.8@3906.66,8129.21 4003.15,8032.72 4003.15,7482.28 3897.79,7376.93 3897.79,5927.19 3896.07,5925.46 3896.07,5352.79 3897.79,5351.07 D119.1@3965.47,5351.07 D119.1@3971.01,5351.07
  Bottom Layer w30: v1(3894.21,5478.99) R352.1@3969.43,5478.99 ; J14.8@3906.66,8129.21 3906.66,8146.03 C168.1@3952.93,8192.3
CH32-: C168.2 F34.1 J14.7 | length 1748.6
  Bottom Layer w30: C168.2@4015.92,8192.3 4062.49,8145.73 J14.7@4062.49,8129.21 4062.49,7877.96 4192.36,7748.09 4192.36,7483.35 4029.73,7320.72 F34.1@4029.73,6584.11
CH33+: C154.1 D120.1 J15.2 Q93.2 R353.1 | length 3150.4
  Top Layer w30: 3680.39,5351.07 3680.39,4975.7 3754.9,4901.19 3754.9,4896.99 3771.4,4880.5 Q93.2@3771.4,4871.57 ; D120.1@3759.29,5351.07 D120.1@3754.14,5351.07 3686.07,5351.07 3684.9,5352.24 3684.9,5925.46 3686.07,5926.63 3686.07,7391.07 J15.2@3940.75,7645.75
  Bottom Layer w30: v1(3682.81,5478.99) R353.1@3758.17,5478.99 ; J15.2@3940.75,7645.75 3940.75,7663.67 C154.1@3987.12,7710.04
CH33-: C154.2 F35.1 J15.1 | length 563
  Bottom Layer w30: F35.1@3835.68,7274.4 3835.68,7384.85 J15.1@4096.58,7645.75 4096.58,7663.58 C154.2@4050.12,7710.04
CH34+: C159.1 D121.1 J15.4 Q94.2 R354.1 | length 3109.6
  Top Layer w30: v1(3467.61,5478.78) 3467.61,7484.28 J15.4@3629.08,7645.75 ; v1@3469.22,5478.78 3469.22,5351.07 3469.22,4975.7 3543.73,4901.19 3543.73,4896.99 3560.23,4880.5 Q94.2@3560.23,4871.57 ; 3474.9,5351.07 D121.1@3542.81,5351.07
  Bottom Layer w30: v1@3467.82,5478.99 R354.1@3546.91,5478.99 ; J15.4@3629.08,7645.75 3629.08,7662.96 C159.1@3676.16,7710.04
CH34-: C159.2 F36.1 J15.3 | length 1218.2
  Bottom Layer w30: F36.1@3607.97,6584.11 3607.97,7468.8 J15.3@3784.91,7645.75 3784.91,7664.28 C159.2@3739.15,7710.04
CH35+: C164.1 D122.1 J15.6 Q95.2 R355.1 | length 3067.7
  Top Layer w30: v1(3256.79,5478.99) 3256.79,7585.12 J15.6@3317.41,7645.75 ; v1@3258.05,5478.99 3258.05,5351.07 3258.05,4975.7 3332.56,4901.19 3332.56,4896.99 3349.05,4880.5 Q95.2@3349.05,4871.57 ; 3263.73,5351.07 D122.1@3331.48,5351.07
  Bottom Layer w30: v1(3256.79,5478.99) R355.1@3335.65,5478.99 ; J15.6@3317.41,7645.75 3317.41,7662.26 C164.1@3365.2,7710.04
CH35-: C164.2 F37.1 J15.5 | length 478.6
  Bottom Layer w30: F37.1@3414.54,7274.4 3414.54,7587.04 J15.5@3473.25,7645.75 3473.25,7664.99 C164.2@3428.19,7710.04
CH36+: C169.1 D128.1 J15.8 Q106.2 R386.1 | length 3063.9
  Top Layer w30: J15.8@3005.75,7645.75 3052.9,7598.6 3052.9,6809.75 3047.44,6804.29 3047.44,5478.99 3047.44,5351.07 ; 3046.88,5351.07 3046.88,4975.7 3121.39,4901.19 3121.39,4896.99 3137.88,4880.5 Q106.2@3137.88,4871.57 ; 3053.11,5351.07 D128.1@3120.15,5351.07
  Bottom Layer w30: J15.8@3005.75,7645.75 3005.75,7661.55 C169.1@3054.24,7710.04 ; v1(3045.54,5478.99) R386.1@3124.38,5478.99
Ch36-: C169.2 F38.1 J15.7 | length 1154.5
  Bottom Layer w30: C169.2@3117.23,7710.04 3161.58,7665.7 J15.7@3161.58,7645.75 3186.21,7621.12 F38.1@3186.21,6584.11